# KiCad board nixie_clock_hv.kicad_pcb (continued)
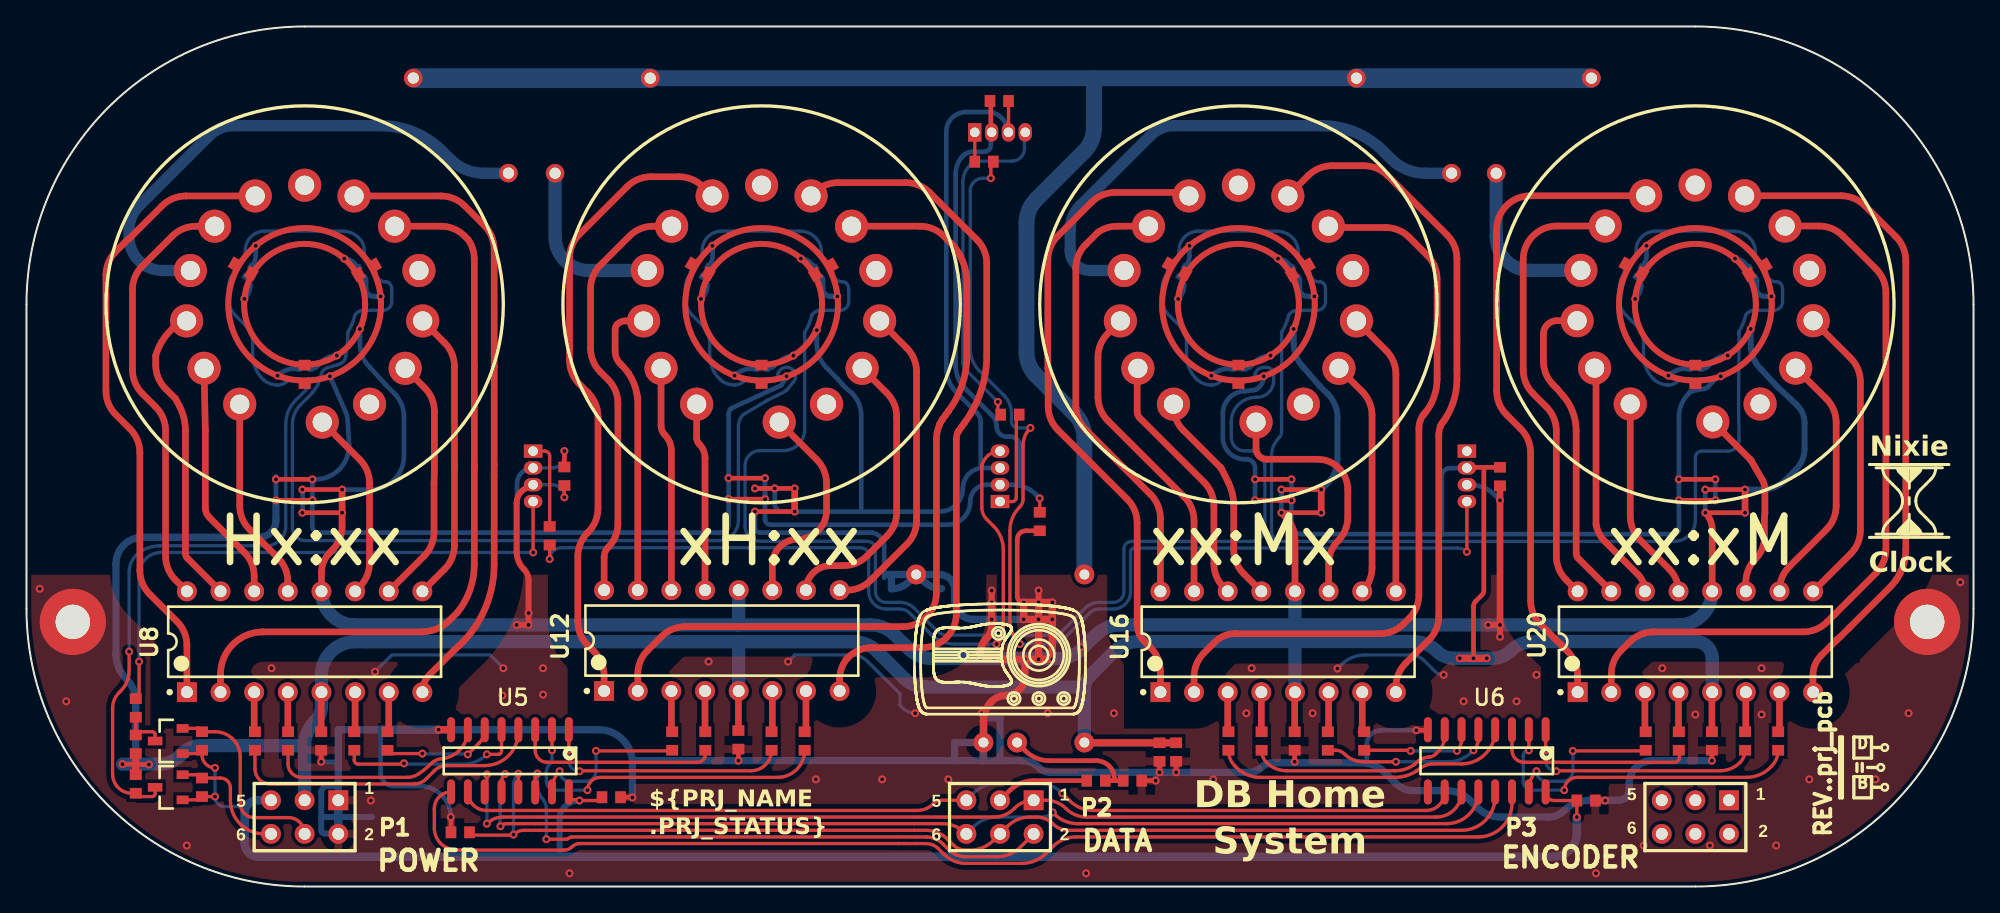
[diagram p0: board, top side]
## Routing (per net, layer and track width the routed paths; a pad name or vN(x,y) marks a point on that pad's centre or on a via; arc(x,y) is an arc through that point) (continued)
  Bottom Layer w0.45: v1(130.18,42.14) 130.18,40.93 arc(130.37,39.95) 130.92,39.13 arc(130.93,39.12) 130.93,39.12 132.13,37.83 arc(132.18,37.78) 132.23,37.73 133.57,36.48 133.68,36.37 arc(134.1,35.74) 134.25,35 134.25,33.12 arc(134.07,32.24) 133.57,31.49 132.83,30.74 arc(132,30.19) 131.03,30 v1(129.75,30) ; 22.25,5.25 22.25,7.1 arc(22.4,7.45) 22.75,7.6 23.22,7.6 arc(23.45,7.69) 23.54,7.92 ; 22.25,5.25 22.25,4.25 arc(22.32,4.07) 22.5,4 23.52,4 arc(23.53,3.99) P1.2 ; 22.25,5.25 26.08,5.25 ; v1(95.67,42.14) 95.67,41.03 arc(95.87,40.06) 96.42,39.23 arc(96.43,39.22) 96.44,39.21 97.56,37.91 arc(97.64,37.83) 97.71,37.75 98.23,37.25 arc(98.23,37.24) 98.23,37.24 ; v1(97.75,30) 98.24,30.49 arc(98.79,31.31) 98.98,32.28 98.98,35.44 arc(98.79,36.42) 98.24,37.24
  Bottom Layer w0.55: 65.36,23.58 U7.4 ; 65.36,23.58 64.98,23.58 ; 65.36,23.58 arc(65.32,23.52) 65.3,23.44 65.3,22.5 arc(66.03,22.64) 66.64,23.06 66.95,23.36 ; U7.4 66.95,23.36 ; U7.4 68.91,23.58 arc(69.74,23.24) 70.08,22.42 70.08,21.61 arc(70.49,20.61) 71.5,20.19 v1(72.87,20.19) ; 67.45,23.37 67.76,23.07 arc(68.37,22.66) 69.1,22.51 ; 66.9,23.36 66.95,23.36 ; 66.95,23.36 67.17,23.36 ; v1(72.87,20.19) v1(75.29,20.19) ; v1(72.87,20.19) v1(72.87,21.47) ; P1.1 23.54,11.85 26.73,11.85 ; 70.08,9.51 70.08,10.88 U7.3 arc(72.27,10.92) 72.28,10.95 72.28,12.75 73.52,12.75 arc(73.5,12.73) 73.5,12.71 73.5,9.51 ; 70.08,9.51 72.24,9.51 ; 70.08,9.51 v1(53.75,9.51) 45.95,9.51 arc(45.81,9.45) 45.75,9.31 ; 73.5,9.51 75.17,9.51 arc(75.84,9.38) 76.41,9 arc(76.82,8.73) 77.31,8.63 v1(85.55,8.63) v1(86.8,8.63) 92.33,8.63 arc(92.82,8.73) 93.23,9 arc(93.62,9.26) 94.09,9.36 100.77,9.36 arc(100.98,9.35) 101.19,9.32 arc(101.94,9.07) 102.57,8.61 103.39,7.79 arc(103.99,7.39) 104.69,7.25 107.2,7.25 arc(108.17,7.06) 108.99,6.51 109.51,5.99 arc(110.33,5.44) 111.3,5.25 114.9,5.25 arc(115.55,5.38) 116.1,5.75 116.11,5.76 arc(116.93,6.31) 117.91,6.5 arc(117.93,6.51) 117.95,6.52 120.24,6.52 arc(120.78,6.74) 121,7.28 121,7.78 arc(121.51,9.01) 122.73,9.51 v1(127.25,9.51) ; 73.5,9.51 72.24,9.51 ; v1(76.41,20.19) v1(77.45,20.19) v1(77.45,21.47) 77.44,21.47 76.41,21.47 ; v1(76.41,20.19) v1(75.29,20.19) ; v1(76.41,20.19) 76.41,21.47 ; 76.41,21.47 v1(75.29,21.47) v1(75.29,20.19) ; 76.41,21.47 v1(76.41,21.47) ; 72.24,9.51 72.24,10.88 ; v1(31.12,11.85) 43.21,11.85 arc(45.01,11.11) 45.75,9.31 ; v1(45.75,6.72) 45.75,9.31
  Bottom Layer w0.65: P1.1 P1.2 ; 26.73,11.85 v1(31.12,11.85)
  Bottom Layer w1: 95.77,19.77 U16.12 95.77,22.33 ; 95.77,19.77 v1(110.35,19.77) v1(111.25,19.77) 124.73,19.77 arc(126.53,20.51) U20.12 127.27,22.33 ; 95.77,19.77 82.55,19.77 arc(81.58,19.58) 80.75,19.03 79.7,17.97 arc(78.88,17.42) 77.91,17.23 68.4,17.23 arc(67.42,17.42) 66.6,17.97 66.27,18.3 ; 22.27,22.33 U8.12 arc(23.01,20.51) 24.81,19.77 v1(37.01,19.77) v1(37.91,19.77) 53.77,19.77 ; 66.27,18.3 66.27,18.3 ; 66.27,18.3 arc(66.27,18.3) 66.27,18.3 ; 53.77,19.77 63.75,19.77 arc(64.72,19.58) 65.55,19.03 66.27,18.3 ; 53.77,19.77 53.77,22.24
  vias: v1(1,22.5) v1(3,14) v1(12.1,3.1) v1(18.5,16.5) v1(26,6.5) v1(35.93,14.44) v1(39,16.5) v1(39,14.5) v1(41,1) v1(50.93,44.41) v1(51.5,17) v1(57.91,40.13) v1(58.47,47.46) v1(59.6,8.1) v1(64.6,8.1) v1(69.6,8.1) v1(72.1,13.1) v1(77.1,13.1) v1(79.6,18.1) v1(80,1) v1(82.1,13.1) v1(89.6,8.1) v1(92.1,13.1) v1(92.5,16.5) v1(97.1,13.1) v1(108.5,14) v1(112.5,14) v1(114,16) v1(118.5,1) v1(122.1,3.1) v1(123.5,16.5) v1(126,13) v1(127.1,3.1) v1(131,16.5) v1(131,13) v1(132.1,3.1) v1(134.6,8.1) v1(139.6,8.1) v1(142.1,13.1) v1(146,23)
A_Hx:xx: length 3
  Top Layer w0.5: U8.3 17.19,11.84 arc(17.21,11.77) R14.1
A_xH:xx: length 3
  Top Layer w0.5: U12.3 48.69,11.93 arc(48.71,11.85) 48.75,11.79
A_xx:Mx: length 3
  Top Layer w0.5: U16.3 90.69,11.84 arc(90.71,11.77) R22.1
A_xx:xM: length 3
  Top Layer w0.5: U20.3 122.19,11.84 arc(122.21,11.77) R18.1
B_Hx:xx: length 3
  Top Layer w0.5: U8.6 24.81,11.84 arc(24.79,11.77) R15.1
B_xH:xx: length 3
  Top Layer w0.5: U12.6 56.31,11.93 arc(56.29,11.85) 56.25,11.79
B_xx:Mx: length 3
  Top Layer w0.5: U16.6 98.31,11.84 arc(98.29,11.77) R23.1
B_xx:xM: length 3
  Top Layer w0.5: U20.6 129.81,11.84 arc(129.79,11.77) R19.1
BACK_LIGHT_DATA: length 9.6
  Top Layer w0.25: P1.6 17.93,3.98 arc(16.14,4.72) 15.39,6.52 15.39,7.46 arc(15.18,7.98) 14.65,8.2 R7.2 arc(13.18,8.38) 13,8.45 Q2.2
C_Hx:xx: length 3
  Top Layer w0.5: U8.7 27.35,11.94 arc(27.32,11.81) R16.1
C_xH:xx: length 3
  Top Layer w0.5: U12.7 58.85,12.03 arc(58.82,11.9) 58.75,11.79
C_xx:Mx: length 3
  Top Layer w0.5: U16.7 100.85,11.94 arc(100.82,11.81) 100.75,11.7
C_xx:xM: length 3
  Top Layer w0.5: U20.7 132.35,11.94 arc(132.32,11.81) R20.1
D0_Hx:xx: length 47.9
  Top Layer w0.5: 35.31,39.3 35.31,31.9 arc(35.31,31.89) 35.31,31.88 35.31,31 35.31,24.31 arc(34.52,20.78) 32.33,17.91 30.44,16.01 arc(30.08,15.51) 29.9,14.92 arc(29.89,14.8) U8.8 ; J3_ xx:xM_Hx:xx.8 31.29,52.19 arc(32.26,52) 33.07,51.45 34.56,49.96 arc(35.11,49.14) 35.31,48.17 35.31,39.3 arc(35.31,39.3) 35.31,39.3
D0_xH:xx: length 56.4
  Top Layer w0.5: U12.8 61.39,15.64 arc(61.52,16.45) 61.9,17.18 62.04,17.32 arc(62.87,17.87) 63.84,18.06 67.66,18.06 arc(69.46,18.8) 70.2,20.6 70.2,33.77 arc(70.23,34.06) 70.32,34.33 arc(70.34,34.38) 70.37,34.42 arc(70.38,34.43) 70.39,34.45 70.83,35.06 arc(70.83,35.06) 70.83,35.07 arc(71.13,35.5) 71.4,35.95 ; J3_ xx:xM_xH:xx.8 59.5,52.46 arc(60.32,53.01) 61.29,53.2 66.39,53.2 arc(67.36,53.01) 68.18,52.46 71.76,48.88 arc(71.84,48.8) 71.91,48.71 arc(72.35,47.95) 72.5,47.09 72.5,40.13 arc(72.28,38.21) 71.63,36.38 arc(71.44,36.01) 71.23,35.66
D0_xx:Mx: length 51.8
  Top Layer w0.5: U16.8 103.39,15.09 arc(103.58,16.06) 104.13,16.88 105.88,18.63 arc(106.43,19.46) 106.63,20.43 106.63,34.08 arc(106.66,34.42) 106.74,34.75 arc(106.76,34.8) 106.78,34.84 arc(106.8,34.9) 106.84,34.96 ; 108,38.35 108,41.39 108,47.44 arc(107.81,48.41) 107.26,49.24 102.76,53.73 arc(101.94,54.28) 100.97,54.47 98.57,54.47 arc(97.6,54.28) 96.77,53.73 J3_ xx:xM_xx:Mx.8 ; 106.84,34.96 arc(107.33,35.71) 107.69,36.52 arc(107.92,37.42) 108,38.35 ; 106.84,34.96 arc(107.04,35.24) 107.23,35.53
D0_xx:xM: length 51.7
  Top Layer w0.5: J3_ xx:xM_xx:xM.8 136.99,52.2 arc(137.97,52.01) 138.79,51.46 141.14,49.11 arc(141.69,48.28) 141.89,47.31 141.89,25.49 arc(141.68,24.23) 141.1,23.09 ; 134.94,14.7 134.88,14.76 134.88,15.97 arc(135.04,16.77) 135.49,17.45 136.68,18.64 arc(136.7,18.66) 136.71,18.67 arc(136.86,18.8) 136.99,18.93 140.7,22.64 arc(140.91,22.86) 141.1,23.09 ; 141.1,23.09 arc(141.56,23.9) 141.82,24.78
D1_Hx:xx: length 23.2
  Top Layer w0.5: U8.15 12.15,24.81 arc(12.04,24.98) 12,25.17 12,34.45 arc(11.88,35.41) 11.54,36.31 11.26,36.87 10.5,37.62 arc(9.95,38.45) 9.76,39.42 9.76,40.13 arc(10.43,41.5) 11.52,42.57 J3_ xx:xM_Hx:xx.3
D1_xH:xx: length 22.7
  Top Layer w0.5: J3_ xx:xM_xH:xx.3 45.22,42.75 arc(44.88,42.68) 44.6,42.49 arc(44.48,42.31) 44.44,42.1 44.44,40.46 arc(44.54,39.94) 44.84,39.5 44.97,39.37 ; U12.15 46.15,36.86 arc(46.15,36.91) 46.14,36.95 46.08,37.29 arc(45.84,38.06) 45.46,38.78 arc(45.23,39.09) 44.97,39.37
D1_xx:Mx: length 23.8
  Top Layer w0.5: U16.15 88.15,27.65 arc(87.96,28.62) 87.41,29.45 81.64,35.22 arc(81.09,36.04) 80.9,37.01 80.9,40 arc(81.09,40.98) 81.64,41.8 J3_ xx:xM_xx:Mx.3
D1_xx:xM: length 24.4
  Top Layer w0.5: U20.15 117.15,24.81 arc(117.04,24.98) 117,25.17 117,34.45 arc(116.75,35.85) 116.02,37.08 115.53,37.65 ; 115.54,37.64 115.27,37.92 arc(114.72,38.74) 114.53,39.71 114.53,41.75 arc(114.82,42.47) 115.54,42.76 J3_ xx:xM_xx:xM.3
D2_Hx:xx: length 14.5
  Top Layer w0.5: U8.11 25.16,22.66 arc(25.71,23.48) 25.9,24.45 25.9,30.48 arc(25.71,31.45) 25.16,32.27 J3_ xx:xM_Hx:xx.14
D2_xH:xx: length 16.4
  Top Layer w0.5: J3_ xx:xM_xH:xx.14 59.66,32.27 arc(60.21,31.45) 60.4,30.48 60.4,28.4 arc(59.77,26.88) 58.25,26.25 arc(56.88,25.68) 56.31,24.31 U12.11
D2_xx:Mx: length 18.8
  Top Layer w0.5: U16.11 98.31,24.42 arc(98.49,25.33) 99.01,26.11 ; J3_ xx:xM_xx:Mx.14 92.83,33.1 arc(93.07,32.53) 93.63,32.29 97.46,32.29 arc(99.08,31.62) 99.76,30 99.76,27.91 arc(99.73,27.52) 99.64,27.14 arc(99.38,26.59) 99.01,26.11
D2_xx:xM: length 14.6
  Top Layer w0.5: J3_ xx:xM_xx:xM.14 130.14,32.29 130.14,32.28 arc(130.18,32.24) 130.22,32.18 131.05,30.75 arc(131.2,30.39) 131.25,30 131.25,28.25 arc(131.24,28.08) 131.21,27.91 131.21,26.37 arc(131.04,25.51) 130.55,24.78 arc(130,23.96) 129.81,22.99 U20.11
D3_Hx:xx: length 22.2
  Top Layer w0.5: J3_ xx:xM_Hx:xx.11 31.57,41.09 arc(32.12,40.27) 32.31,39.3 32.31,31.9 32.31,31.69 arc(32.31,31.66) 32.31,31.64 32.31,25.78 arc(32.11,24.81) 31.56,23.98 U8.9
D3_xH:xx: length 24.5
  Top Layer w0.5: J3_ xx:xM_xH:xx.11 66.46,40.7 arc(67.01,39.88) 67.2,38.91 67.2,27.63 arc(67.01,26.68) 66.48,25.89 63.74,23.14 arc(62.91,22.59) 61.94,22.4 U12.9
D3_xx:Mx: length 21.6
  Top Layer w0.5: J3_ xx:xM_xx:Mx.11 102.65,40.51 arc(103.2,39.69) 103.39,38.72 U16.9
D3_xx:xM: length 23.1
  Top Layer w0.5: U20.9 137.72,25.14 arc(137.88,25.32) 138.03,25.51 arc(138.35,26.19) 138.46,26.93 ; 138.46,27 138.46,38.15 arc(138.27,39.12) 137.72,39.94 J3_ xx:xM_xx:xM.11
D4_Hx:xx: length 15.4
  Top Layer w0.5: J3_ xx:xM_Hx:xx.1 16.1,28.78 arc(16.29,27.81) 16.84,26.99 18.99,24.84 arc(19.54,24.02) 19.73,23.05 U8.13
D4_xH:xx: length 14.2
  Top Layer w0.5: J3_ xx:xM_xH:xx.1 50.6,33.89 arc(50.64,33.66) 50.78,33.47 arc(51.11,32.96) 51.23,32.37 U12.13
D4_xx:Mx: length 16.5
  Top Layer w0.5: J3_ xx:xM_xx:Mx.1 86.6,36.28 arc(86.79,35.3) 87.34,34.48 90.15,31.67 90.15,31.67 arc(90.2,31.61) 90.24,31.54 90.73,30.55 arc(91.04,29.68) 91.15,28.76 91.15,25.44 arc(91.34,24.47) 91.89,23.65 U16.13
D4_xx:xM: length 15.5
  Top Layer w0.5: J3_ xx:xM_xx:xM.1 121.08,27.98 arc(121.28,27.01) 121.83,26.19 124.04,23.97 arc(124.55,23.21) U20.13
D5_Hx:xx: length 19
  Top Layer w0.5: U8.10 30.02,24.98 arc(30.58,25.81) 30.77,26.78 30.77,30.44 30.8,31.36 ; 30.8,31.35 30.8,35.91 arc(30.6,36.88) 30.05,37.7 J3_ xx:xM_Hx:xx.12
D5_xH:xx: length 21.8
  Top Layer w0.5: J3_ xx:xM_xH:xx.12 64.96,37.3 arc(65.51,36.47) 65.7,35.5 65.7,28.28 arc(65.64,27.73) 65.46,27.2 arc(65.24,26.82) 64.96,26.48 63.47,24.99 arc(62.9,24.57) 62.23,24.31 arc(61.95,24.27) 61.67,24.25 60.7,24.25 arc(59.39,23.71) U12.10
D5_xx:Mx: length 18
  Top Layer w0.5: J3_ xx:xM_xx:Mx.12 100.85,37.41 arc(101.4,36.59) 101.59,35.61 101.59,24.1 arc(101.4,23.13) U16.10
D5_xx:xM: length 19.6
  Top Layer w0.5: U20.10 132.35,22.38 arc(132.35,22.38) 132.35,22.39 arc(132.54,23.36) 133.09,24.18 135.89,26.97 arc(136.44,27.79) 136.63,28.77 136.63,35.07 arc(136.44,36.04) 135.89,36.87 J3_ xx:xM_xx:xM.12
D6_Hx:xx: length 18.2
  Top Layer w0.5: U8.14 17.19,23.46 arc(17,24.43) 16.45,25.25 13.8,27.9 arc(13.58,28.23) 13.5,28.63 13.5,34.45 arc(13.5,34.5) 13.5,34.56 J3_ xx:xM_Hx:xx.2
D6_xH:xx: length 17
  Top Layer w0.5: U12.14 48.69,32.95 arc(48.56,33.59) 48.2,34.13 arc(47.98,34.45) 47.91,34.83 J3_ xx:xM_xH:xx.2
D6_xx:Mx: length 19.5
  Top Layer w0.5: U16.14 90.39,22.61 arc(89.84,23.43) 89.65,24.4 89.65,28.76 arc(89.46,29.73) 88.91,30.56 84.04,35.42 arc(83.9,35.63) 83.85,35.87 83.85,39.03 arc(83.87,39.1) J3_ xx:xM_xx:Mx.2
D6_xx:xM: length 18.3
  Top Layer w0.5: U20.14 arc(122.05,23) 121.66,23.59 119.19,26.06 arc(118.76,26.63) 118.51,27.29 arc(118.5,27.35) 118.5,27.4 118.5,38.92 arc(118.47,39.06) J3_ xx:xM_xx:xM.2
D7_Hx:xx: length 47.7
  Top Layer w0.5: U8.1 12.11,18.23 arc(11.92,19.2) 11.37,20.02 9.3,22.09 arc(8.75,22.91) 8.56,23.88 8.56,32.79 arc(8.37,33.76) 7.82,34.59 6.74,35.66 arc(6.19,36.48) 6,37.46 6,46.2 arc(6.19,47.17) 6.74,48 7.45,48.7 arc(7.59,48.83) 7.74,48.95 10.24,51.45 arc(11.06,52) 12.03,52.19 J3_ xx:xM_Hx:xx.6
D7_xH:xx: length 48.6
  Top Layer w0.5: U12.1 43.61,15.95 arc(43.49,16.72) 43.13,17.42 arc(43.01,17.59) 42.87,17.74 42.37,18.24 arc(41.82,19.06) 41.63,20.03 41.63,24.95 arc(41.82,25.92) 42.37,26.75 42.41,26.78 arc(42.96,27.61) 43.15,28.58 43.15,35.52 arc(42.96,36.49) 42.41,37.31 41.75,37.97 arc(41.19,38.8) 41,39.77 41,47.49 arc(41.19,48.46) 41.74,49.29 45.35,52.9 arc(46.18,53.45) 47.15,53.64 49.26,53.64 arc(50.23,53.45) 51.06,52.9 J3_ xx:xM_xH:xx.6
D7_xx:Mx: length 49
  Top Layer w0.5: U16.1 85.61,16.26 arc(85.42,17.24) 84.87,18.06 84.4,18.53 arc(84,19.13) 83.85,19.84 83.85,27.47 arc(83.66,28.44) 83.11,29.27 77.88,34.5 arc(77.33,35.32) 77.14,36.29 77.14,38.71 arc(77.14,38.74) 77.13,38.76 arc(77.12,38.97) 77.11,39.17 77.11,47.36 arc(77.31,48.34) 77.86,49.16 80.41,51.71 arc(81.23,52.26) 82.2,52.46 87.13,52.46 arc(87.47,52.39) J3_ xx:xM_xx:Mx.6
D7_xx:xM: length 49.8
  Top Layer w0.5: J3_ xx:xM_xx:xM.6 113.54,52.2 arc(111.74,51.46) 111,49.66 111,37.46 arc(111.19,36.48) 111.74,35.66 112.82,34.59 arc(113.37,33.76) 113.56,32.79 113.56,21.62 arc(113.75,20.65) 114.3,19.82 116.37,17.76 arc(116.92,16.94) 117.11,15.96 U20.1
D8_Hx:xx: length 56
  Top Layer w0.5: U8.2 14.65,16.04 arc(15.59,18.31) 17.85,19.24 29.81,19.24 arc(30.97,19.47) 31.95,20.13 32.55,20.73 arc(33.48,22.42) 33.81,24.31 33.81,31.64 arc(33.81,31.65) 33.81,31.67 33.81,31.88 arc(33.81,31.89) 33.81,31.9 33.81,39.3 ; J3_ xx:xM_Hx:xx.9 31.28,49.9 arc(32.26,49.71) 33.08,49.16 33.34,48.9 arc(33.69,48.2) 33.81,47.43 33.81,39.3
D8_xH:xx: length 62.4
  Top Layer w0.5: U12.2 46.15,16.05 arc(46.34,17.02) 46.89,17.84 47.95,18.9 arc(48.77,19.45) 49.74,19.64 66.16,19.64 arc(67.96,20.38) 68.7,22.18 68.7,33.77 arc(68.76,34.37) 68.95,34.94 68.95,34.94 arc(69.04,35.12) 69.15,35.3 69.16,35.3 arc(69.16,35.31) 69.17,35.32 ; 69.61,35.93 69.39,35.63 arc(69.39,35.63) 69.39,35.62 69.17,35.32 arc(69.17,35.32) 69.17,35.32 ; J3_ xx:xM_xH:xx.9 67.46,49.9 arc(68.43,49.71) 69.26,49.16 69.96,48.46 arc(70.73,47.13) 71,45.63 71,40.13 arc(70.65,37.93) 69.62,35.95 arc(69.61,35.94) 69.61,35.94 arc(69.61,35.94) 69.61,35.94
D8_xx:Mx: length 56.2
  Top Layer w0.5: U16.2 88.15,15.85 arc(88.34,16.82) 88.89,17.64 89.75,18.5 arc(90.42,18.95) 91.22,19.11 102.19,19.11 arc(102.55,19.14) 102.91,19.22 arc(103.49,19.47) 103.98,19.85 104.38,20.25 arc(104.93,21.08) 105.13,22.05 105.13,34.64 arc(105.2,35.14) 105.43,35.6 arc(105.45,35.63) 105.47,35.65 ; J3_ xx:xM_xx:Mx.9 arc(98.32,49.84) 98.39,49.81 102.6,49.81 arc(103.57,49.61) 104.4,49.06 105.76,47.7 arc(106.31,46.88) 106.5,45.91 106.5,41.12 106.5,38.35 arc(106.23,36.91) 105.47,35.65 ; 105.63,35.84 arc(105.55,35.75) 105.47,35.65
D8_xx:xM: length 56.3
  Top Layer w0.5: U20.2 119.65,16.04 arc(119.84,17.01) 120.39,17.84 121.06,18.5 arc(121.88,19.05) 122.85,19.24 134.14,19.24 arc(135.11,19.44) 135.94,19.99 139.64,23.69 arc(140.07,24.27) 140.32,24.93 arc(140.37,25.21) 140.39,25.49 140.39,44.87 arc(140.19,45.85) 139.64,46.67 137.14,49.17 arc(136.31,49.73) 135.34,49.92 J3_ xx:xM_xx:xM.9
D9_Hx:xx: length 32.8
  Top Layer w0.5: J3_ xx:xM_Hx:xx.5 12.8,49.9 arc(11.83,49.71) 11.01,49.16 8.74,46.9 arc(8.19,46.07) 8,45.1 8,39.05 arc(8.19,38.08) 8.74,37.26 9.76,36.24 arc(10.31,35.42) 10.5,34.45 10.5,24.97 arc(10.69,24) 11.24,23.18 U8.16
D9_xH:xx: length 32.2
  Top Layer w0.5: U12.16 43.61,24.91 arc(43.69,25.29) 43.91,25.62 ; J3_ xx:xM_xH:xx.5 47.32,49.9 arc(46.35,49.71) 45.53,49.16 43.33,46.97 arc(42.78,46.14) 42.59,45.17 42.59,40.68 arc(42.78,39.71) 43.33,38.89 43.91,38.31 arc(44.46,37.49) 44.65,36.52 44.65,27.42 arc(44.6,26.9) 44.44,26.41 arc(44.21,25.99) 43.91,25.62
D9_xx:Mx: length 34.1
  Top Layer w0.5: J3_ xx:xM_xx:Mx.5 82.35,49.9 arc(81.59,49.79) 80.9,49.45 79.97,48.52 arc(79.42,47.69) 79.22,46.72 79.22,36.33 arc(79.25,35.97) 79.32,35.62 arc(79.46,35.25) 79.65,34.91 arc(79.8,34.72) 79.97,34.53 ; U16.16 85.61,27.84 arc(85.42,28.81) 84.87,29.63 79.97,34.53
D9_xx:xM: length 34.1
  Top Layer w0.5: U20.16 116.24,23.18 arc(115.69,24) 115.5,24.97 115.5,34.45 arc(115.31,35.42) 114.76,36.24 113.74,37.26 arc(113.19,38.08) 113,39.05 113,47.38 arc(113.74,49.17) 115.54,49.92 J3_ xx:xM_xx:xM.5
D_Hx:xx: length 3
  Top Layer w0.5: U8.4 19.73,11.75 arc(19.74,11.72) R17.1
D_xH:xx: length 3
  Top Layer w0.5: U12.4 51.23,11.84 arc(51.24,11.81) 51.25,11.79
D_xx:Mx: length 3
  Top Layer w0.5: U16.4 93.23,11.75 arc(93.24,11.72) R25.1
D_xx:xM: length 3
  Top Layer w0.5: U20.4 124.73,11.75 arc(124.74,11.72) R21.1
FRONT_LIGHT_DATA: length 14.9
  Top Layer w0.25: 16.14,9.8 16.14,6.22 arc(16.46,5.5) 17.19,5.21 19.77,5.21 arc(20.64,4.85) P1.4 ; Q1.2 13,11.95 ; R1.2 14.23,11.7 arc(15.58,11.14) 16.14,9.8
HV: length 129.7
  Bottom Layer w1.2: 80.59,61.09 R29.2 ; 80.59,61.09 80.59,57.34 arc(80.4,56.37) 79.85,55.55 76.24,51.94 arc(75.69,51.11) 75.5,50.14 75.5,40.4 arc(75.67,39.49) 76.15,38.71 79.13,35.73 arc(79.68,34.91) 79.87,33.93 U7.5 ; 80.59,61.09 R28.2
  Bottom Layer w1.5: R29.2 118.09,61.09 ; 29.35,61.09 R28.2
HV_ENABLE: length 10.1
  Top Layer w0.35: U7.2 75.42,10.26 arc(76.24,9.71) 77.21,9.51 80.75,9.51 arc(81.29,9.41) 81.75,9.1 arc(82.03,8.68) 82.12,8.19 82.12,8 ; 82.12,8 R26.2 ; 82.12,8 R31.1
LED_DATA_OUT_Hx:xx: length 75.6
  Bottom Layer w0.25: 55.9,38.28 U13.4 56.39,38.28 arc(56.53,38.31) 56.65,38.39 arc(56.7,38.47) 56.71,38.56 arc(56.72,38.64) 56.73,38.72 arc(56.75,38.77) 56.76,38.81 arc(57.03,39.13) 57.43,39.24 arc(57.44,39.24) 57.44,39.24 57.47,39.23 arc(58.02,38.81) 57.91,38.13 57.47,37.6 arc(57.45,37.58) 57.43,37.56 57.35,37.49 arc(57.29,37.43) 57.21,37.38 55.99,36.78 arc(55.93,36.74) 55.87,36.71 54.12,35.67 arc(53.85,35.26) 53.75,34.77 53.75,27.66 arc(53.3,26.59) 52.23,26.14 21.06,26.14 arc(20.37,26.43) 20.08,27.12 20.08,34.95 arc(20.23,35.74) 20.68,36.4 21.47,37.19 arc(21.53,37.25) 21.58,37.31 arc(21.61,37.35) 21.65,37.4 21.96,37.84 arc(21.99,37.89) 22.01,37.94 22.27,38.77 arc(22.44,39.04) 22.72,39.21 23.43,39.42 23.64,39.49 arc(23.95,39.7) 24.1,40.05 24.25,41.26 arc(24.25,41.28) 24.25,41.29 24.25,41.75 arc(24.25,41.81) 24.26,41.86 arc(24.27,41.91) 24.29,41.96 arc(24.43,42.2) 24.55,42.45 arc(24.56,42.46) 24.56,42.46 arc(24.62,42.61) 24.67,42.77 arc(24.73,42.95) 24.78,43.13 arc(24.79,43.17) 24.81,43.21 arc(24.97,43.38) 25.17,43.49 arc(25.31,43.53) 25.45,43.55 26.93,43.55 arc(27.39,43.74) 27.58,44.2 27.58,45.17 arc(27.53,45.4) 27.4,45.6 arc(27.29,45.67) 27.16,45.7 27.1,45.7 arc(26.82,45.76) 26.58,45.91 ; 26.58,45.91 26.39,46.11 arc(26.28,46.27) U11.2
LED_DATA_OUT_xH:xx: length 94.1
  Bottom Layer w0.25: 67.03,21.02 68.75,19.31 arc(69.09,19.08) 69.5,19 77.45,19 arc(77.86,19.08) 78.2,19.31 79.91,21.02 ; U17.4 92.41,38.28 arc(92.56,38.31) 92.68,38.39 arc(92.72,38.47) 92.74,38.56 arc(92.74,38.64) 92.76,38.72 arc(92.77,38.77) 92.78,38.81 arc(93.05,39.13) 93.45,39.24 arc(93.46,39.24) 93.46,39.24 93.65,39.24 arc(94.01,39.08) 94.16,38.72 94.16,38.24 arc(93.79,37.34) 92.89,36.97 ; 58.76,41.68 58.76,34.56 arc(58.28,33.42) 57.14,32.95 55.39,32.95 arc(54.58,32.61) 54.25,31.81 54.25,27.22 arc(54.58,26.43) 55.37,26.1 63.02,26.1 arc(63.03,26.1) 63.04,26.1 63.51,26.08 arc(63.92,25.91) 64.09,25.5 64.09,22.28 arc(64.33,21.71) 64.9,21.47 65.95,21.47 arc(66.54,21.36) 67.03,21.02 ; U15.2 arc(60.78,46.27) 60.89,46.11 61.08,45.91 arc(61.32,45.76) 61.6,45.7 61.66,45.7 arc(61.79,45.67) 61.9,45.6 arc(62.03,45.4) 62.08,45.17 62.08,44.2 arc(61.89,43.74) 61.43,43.55 59.95,43.55 arc(59.81,43.53) 59.67,43.49 arc(59.47,43.38) 59.31,43.21 arc(59.29,43.17) 59.28,43.13 arc(59.23,42.95) 59.17,42.77 arc(59.12,42.61) 59.06,42.46 arc(59.06,42.46) 59.05,42.45 arc(58.93,42.2) 58.79,41.96 arc(58.77,41.91) 58.76,41.86 arc(58.75,41.81) 58.75,41.75 ; 92.88,36.97 arc(91.52,36.44) 90.96,35.08 90.97,33.91 arc(91.26,33.22) 91.95,32.93 92.3,32.93 arc(93.15,32.58) 93.5,31.73 93.5,27.12 arc(93.2,26.39) 92.46,26.08 83.44,26.08 arc(83.03,25.91) 82.85,25.5 82.85,22.28 arc(82.62,21.71) 82.04,21.47 81,21.47 arc(80.41,21.36) 79.91,21.02
LED_DATA_OUT_xx:Mx: length 80.9
  Bottom Layer w0.25: 131.25,46.45 arc(131.29,46.27) 131.39,46.11 131.59,45.91 arc(131.83,45.76) 132.11,45.7 132.17,45.7 arc(132.3,45.67) 132.41,45.6 arc(132.54,45.4) 132.59,45.17 132.59,44.2 arc(132.39,43.74) 131.93,43.55 130.46,43.55 arc(130.31,43.53) 130.17,43.49 arc(129.98,43.38) 129.82,43.21 arc(129.8,43.17) 129.78,43.13 arc(129.74,42.95) 129.68,42.77 arc(129.63,42.61) 129.56,42.46 arc(129.56,42.46) 129.56,42.45 arc(129.44,42.2) 129.3,41.96 arc(129.28,41.91) 129.26,41.86 arc(129.29,41.85) 129.3,41.83 129.3,41.73 129.26,36.48 arc(129.26,36.46) 129.26,36.44 129.3,33.75 arc(129.3,33.75) 129.3,33.75 arc(129.05,33.15) 128.45,32.91 126.48,32.91 arc(126.14,32.76) 126,32.42 126,27.7 arc(125.53,26.56) 124.38,26.08 94.75,26.08 arc(94.22,26.3) 94,26.83 94,32.56 arc(94.15,33.29) 94.56,33.91 arc(94.71,34.13) 94.76,34.39 94.76,41.86 arc(94.77,41.91) 94.79,41.96 arc(94.93,42.2) 95.05,42.45 arc(95.06,42.46) 95.06,42.46 arc(95.12,42.61) 95.17,42.77 arc(95.23,42.95) 95.28,43.13 arc(95.29,43.17) 95.31,43.21 arc(95.47,43.38) 95.67,43.49 arc(95.81,43.53) 95.95,43.55 97.43,43.55 arc(97.89,43.74) 98.08,44.2 98.08,45.17 arc(98.03,45.4) 97.9,45.6 arc(97.79,45.67) 97.66,45.7 97.6,45.7 arc(97.32,45.76) 97.08,45.91 96.89,46.11 arc(96.78,46.27) U19.2
NetJ3_ xx:xM_Hx:xx_4: length 40.1
  Bottom Layer w0.85: 8.49,51.44 13.81,56.76 arc(14.63,57.31) 15.6,57.5 26.74,57.5 arc(29.25,57) 31.39,55.57 32,54.96 arc(33.16,54.18) 34.54,53.91 36.54,53.91 ; J3_ xx:xM_Hx:xx.4 10.28,46.56 arc(8.49,47.3) 7.74,49.1 7.74,49.64 arc(7.94,50.61) 8.49,51.44
NetJ3_ xx:xM_xH:xx_4: length 13.2
  Bottom Layer w1: J3_ xx:xM_xH:xx.4 42.45,46.56 arc(40.65,47.3) 39.91,49.1 R28.1
NetJ3_ xx:xM_xx:Mx_4: length 40
  Bottom Layer w0.85: R29.1 105.59,53.91 arc(104.22,54.18) 103.05,54.96 102.44,55.57 arc(100.31,57) 97.79,57.5 86.66,57.5 arc(85.69,57.31) 84.86,56.76 79.54,51.44 arc(78.99,50.61) 78.8,49.64 78.8,48.07 arc(79.24,47) 80.32,46.56 J3_ xx:xM_xx:Mx.4
NetJ3_ xx:xM_xx:xM_4: length 12.6
  Bottom Layer w1: R30.1 110.96,49.11 arc(111.71,47.31) 113.5,46.57 J3_ xx:xM_xx:xM.4
NetP2_3: length 7.1
  Top Layer w0.35: P2.3 74.24,7.26 arc(75.06,7.81) 76.03,8 R31.2
NetQ1_3: length 3.2
  Top Layer w0.25: Q1.3 9.71,11.49 arc(9.65,11.64) 9.5,11.7 8.5,11.7 ; R6.2 R2.2 arc(8.24,11.49) 8.2,11.5
NetQ2_3: length 45.8
  Top Layer w0.25: v1(7.75,17.75) 7.75,16.31 arc(7.73,15.99) 7.66,15.68 arc(7.56,15.42) 7.42,15.17 arc(7.28,14.97) 7.12,14.79 6.99,14.66 arc(6.63,14.12) 6.5,13.47 6.5,8.5 arc(6.57,8.04) 6.79,7.63 arc(7.3,7.2) 7.95,7.05 R8.2 arc(8.32,6.87) 8.5,6.8 9.5,6.8 arc(9.65,6.86) 9.71,7.01 Q2.3
  Bottom Layer w0.25: v1(7.75,17.75) 7.75,23.79 arc(7.88,24.45) 8.25,25 8.26,25.01 arc(9.08,25.56) 10.04,25.75 18.08,25.75 arc(19.05,26.11) 19.56,27.01 arc(19.57,27.13) 19.58,27.25 19.58,34.95 arc(19.77,35.93) 20.32,36.75 21.12,37.55 arc(21.35,37.89) U9.4
NetR3_1: length 6.8
  Top Layer w0.25: R3.1 39.5,32.53 arc(39.39,32.8) 39.12,32.91 38.24,32.91
NetR3_2: length 56.1
  Top Layer w0.25: v1(39.5,24.75) R3.2 ; v1(73.24,18.33) 73.49,18.58 ; U2.4 73.38,32.91 arc(73.35,32.9) 73.33,32.89 arc(72.55,32.53) 72.13,31.79 72.13,31.79 arc(72.13,31.76) 72.13,31.74 72.13,28.66 arc(72.22,28.17) 72.5,27.75 73.01,27.25 arc(73.56,26.42) 73.75,25.45 73.75,19.2 arc(73.68,18.87) 73.49,18.58
  Bottom Layer w0.25: v1(73.24,18.33) 70.08,18.33 arc(69.45,18.4) 68.86,18.64 arc(68.86,18.64) 68.85,18.64 arc(68.85,18.64) 68.85,18.64 arc(68.61,18.78) 68.39,18.96 arc(68.39,18.96) 68.39,18.96 66.68,20.67 arc(66.35,20.89) 65.95,20.97 64.9,20.97 arc(63.98,21.36) 63.59,22.28 63.59,25.01 arc(63.43,25.42) 63.02,25.58 ; 63.02,25.6 40.35,25.6 arc(39.75,25.35) v1(39.5,24.75)
NetR4_1: length 7.8
  Top Layer w0.25: R4.1 74.73,35.44 74.73,29.4 arc(74.64,29.18) 74.43,29.1 U2.1
NetR4_2: length 26.1
  Top Layer w0.25: v1(73.34,36.63) 73.34,35.87 arc(73.4,35.72) R4.2
  Bottom Layer w0.25: 75.35,57 75.35,55.79 arc(75.07,55.1) 74.38,54.82 71.95,54.82 arc(71.57,54.75) 71.25,54.54 arc(71.22,54.51) 71.2,54.49 arc(70.83,53.89) 70.7,53.2 70.7,39.61 arc(70.76,39.3) 70.94,39.03 v1(73.34,36.63)
NetR5_1: length 2.2
  Top Layer w0.25: R5.1 71.6,56.86 arc(71.59,56.9) 71.58,56.93 arc(71.57,56.97) 71.54,57
NetR5_2: length 83.1
  Top Layer w0.25: v1(72.81,53.53) 72.81,54.33 arc(72.86,54.58) R5.2 ; v1(75,18.33) 74.99,18.34 arc(74.44,19.16) 74.25,20.13 74.25,26.89 arc(74.44,27.87) 74.99,28.69 75,28.69 arc(75.17,28.96) 75.24,29.26 75.24,33.32 arc(75.39,34.05) v1(75.8,34.66) ; v1(108.75,25.29) 108.75,29.08
  Bottom Layer w0.25: v1(72.81,53.53) 72.21,53.53 arc(71.53,53.25) 71.25,52.57 71.25,40.64 arc(71.43,39.74) 71.94,38.98 73.79,37.13 arc(73.8,37.12) 73.81,37.11 arc(73.81,37.11) 73.81,37.11 arc(73.81,37.11) 73.82,37.1 arc(73.82,37.1) 73.82,37.1 arc(73.84,37.08) 73.85,37.06 arc(73.85,37.06) 73.86,37.06 arc(74.23,36.45) 74.37,35.74 74.37,35.13 arc(74.5,34.8) 74.84,34.66 v1(75.8,34.66) ; v1(75,18.33) 77.16,18.33 arc(77.47,18.37) 77.76,18.51 arc(77.8,18.53) 77.84,18.55 arc(78.23,18.71) 78.56,18.96 79.41,19.81 80.27,20.67 arc(80.6,20.89) 81,20.97 82.04,20.97 arc(82.97,21.36) 83.35,22.28 83.35,25.29 arc(83.44,25.5) 83.64,25.58 108.05,25.58 arc(108.43,25.51) v1(108.75,25.29)
NetR6_1: length 44
  Top Layer w0.25: R6.1 8.5,14.45 v1(8.5,17) ; 38.25,25.26 v1(38.26,25.25) ; 38.25,25.26 U1.4 ; 38.25,25.26 38.25,25.25
  Bottom Layer w0.25: v1(38.26,25.25) 10.18,25.25 arc(8.99,24.76) 8.5,23.57 v1(8.5,17)
NetR9_2: length 12.3
  Top Layer w0.25: U5.15 39.68,7.33 arc(39.82,8.08) v1(40.25,8.72) ; v1(43,10.25) 48.45,10.25
  Bottom Layer w0.25: v1(43,10.25) 43,8.72 arc(42.78,8.18) 42.24,7.95 41.01,7.95 arc(40.47,8.18) v1(40.25,8.72)
NetR10_2: length 19
  Top Layer w0.25: v1(41.75,8.72) 41.75,8.77 arc(41.76,8.76) 41.77,8.75 54.7,8.75 arc(55.8,9.2) R10.2 ; v1(40.95,10.3) U5.1
  Bottom Layer w0.25: v1(40.95,10.3) 40.95,9.52 arc(41.18,8.95) v1(41.75,8.72)
NetR11_2: length 25.6
  Top Layer w0.25: v1(39.68,10.29) U5.2 ; R11.2 arc(58.15,8.85) 56.7,8.25 43.32,8.25 arc(42.66,7.99) 42.36,7.36 arc(42.36,7.32) v1(42.35,7.28)
  Bottom Layer w0.25: v1(42.35,7.28) 39.92,7.28 arc(39.45,7.48) 39.25,7.95 39.25,8.65 arc(39.31,8.97) 39.5,9.25 arc(39.63,9.44) 39.68,9.67 v1(39.68,10.29)
NetR12_2: length 15.6
  Top Layer w0.25: R12.2 51.25,9.97 arc(51.08,9.56) 50.67,9.39 39.31,9.39 arc(38.67,9.66) 38.41,10.3 U5.3
NetR14_2: length 24
  Top Layer w0.25: R14.2 17.25,8.89 arc(17.59,8.09) 18.39,7.75 29.29,7.75 arc(29.75,7.84) 30.15,8.11 30.79,8.75 arc(31.22,9.04) 31.73,9.14 34.6,9.14 arc(36.39,9.88) 37.14,11.68 U5.4
NetR15_2: length 14
  Top Layer w0.25: R15.2 24.75,9.56 arc(24.75,9.55) 24.75,9.55 arc(24.84,9.34) 25.06,9.25 28.44,9.25 v1(28.5,9.31) ; U5.5 35.87,10.24 arc(35.84,10.14) 35.79,10.05 arc(35.72,10.01) 35.64,9.99 v1(34.76,9.99)
  Bottom Layer w0.25: v1(28.5,9.31) 28.56,9.25 32.97,9.25 arc(33.94,9.44) v1(34.76,9.99)
NetR16_2: length 8.5
  Top Layer w0.25: R16.2 27.5,10.05 v1(29.89,10.05) ; v1(33.32,9.99) 34.18,10.85 arc(34.49,11.31) U5.6
  Bottom Layer w0.25: v1(33.32,9.99) 33.29,10.02 29.92,10.02 v1(29.89,10.05)
NetR17_2: length 16.9
  Top Layer w0.25: R17.2 19.75,9.25 arc(20.04,8.54) 20.75,8.25 28.76,8.25 arc(29.19,8.31) 29.59,8.5 ; 29.59,8.5 arc(30.11,8.89) 30.59,9.33 arc(30.96,9.57) 31.39,9.66 arc(32.77,10.39) U5.7
